# KiCad board poly_kb_molecule_16x5.kicad_pcb (continued)
## Routing (per net, layer and track width the routed paths; a pad name or vN(x,y) marks a point on that pad's centre or on a via; arc(x,y) is an arc through that point) (continued)
/Keyboard/sheet605ED2EB/SDIN: length 2694.2
  Top w0.254: 210.82,83.72 210.86,83.77 212.4,83.77 213.27,82.89 213.49,82.89 213.53,82.93 214.01,82.93 214.35,82.59 214.35,82.58 215.4,81.53 223.93,81.53 224.52,82.12 224.52,83.05 ; 284.48,7.53 283.2,7.53 282.52,6.85 281.67,6.85 ; 39.37,26.58 39.41,26.62 40.95,26.62 41.82,25.74 42.04,25.74 42.08,25.78 42.56,25.78 42.9,25.44 42.9,25.43 43.95,24.38 52.48,24.38 53.07,24.97 53.07,25.9 ; 77.47,7.53 77.51,7.57 79.05,7.57 79.92,6.69 80.14,6.69 80.18,6.73 80.66,6.73 81,6.39 81,6.38 82.05,5.33 90.58,5.33 91.17,5.92 91.17,6.85 ; v1(261.11,45.65) 261.81,44.95 262.62,44.95 ; 281.67,64 280.86,64 v1(280.16,64.7) ; 281.67,64 281.67,63.07 281.08,62.48 272.55,62.48 271.5,63.53 271.5,63.54 271.16,63.88 270.68,63.88 270.64,63.84 270.42,63.84 269.55,64.72 268.01,64.72 267.97,64.67 ; 281.67,64 282.52,64 283.2,64.67 284.48,64.67 ; 34.02,83.05 34.87,83.05 35.55,83.72 36.83,83.72 ; 34.02,83.05 33.21,83.05 v1(32.51,83.75) ; 34.02,83.05 34.02,82.12 33.43,81.53 24.9,81.53 23.85,82.58 23.85,82.59 23.51,82.93 23.03,82.93 22.99,82.89 22.77,82.89 21.9,83.77 20.36,83.77 20.32,83.72 ; 14.97,64 14.97,63.07 14.38,62.48 5.85,62.48 4.8,63.53 4.8,63.54 4.46,63.88 3.98,63.88 3.94,63.84 3.72,63.84 2.85,64.72 1.31,64.72 1.27,64.67 ; 14.97,64 15.82,64 16.5,64.67 17.78,64.67 ; 14.97,64 14.16,64 v1(13.46,64.7) ; 205.47,6.85 205.47,5.92 204.88,5.33 196.35,5.33 195.3,6.38 195.3,6.39 194.96,6.73 194.48,6.73 194.44,6.69 194.22,6.69 193.35,7.57 191.81,7.57 191.77,7.53 ; 205.47,6.85 206.32,6.85 207,7.53 208.28,7.53 ; 205.47,6.85 204.66,6.85 v1(203.96,7.55) ; 53.07,64 52.26,64 v1(51.56,64.7) ; 53.07,64 53.07,63.07 52.48,62.48 43.95,62.48 42.9,63.53 42.9,63.54 42.56,63.88 42.08,63.88 42.04,63.84 41.82,63.84 40.95,64.72 39.41,64.72 39.37,64.67 ; 53.07,64 53.92,64 54.6,64.67 55.88,64.67 ; 243.57,44.95 244.42,44.95 245.1,45.62 246.38,45.62 ; 243.57,44.95 243.57,44.02 242.98,43.43 234.45,43.43 233.4,44.48 233.4,44.49 233.06,44.83 232.58,44.83 232.54,44.79 232.32,44.79 231.45,45.67 229.91,45.67 229.87,45.62 ; 243.57,44.95 242.76,44.95 v1(242.06,45.65) ; 14.97,25.9 14.97,24.97 14.38,24.38 5.85,24.38 4.8,25.43 4.8,25.44 4.46,25.78 3.98,25.78 3.94,25.74 3.72,25.74 2.85,26.62 1.31,26.62 1.27,26.58 ; 14.97,25.9 14.16,25.9 v1(13.46,26.6) ; 14.97,25.9 15.82,25.9 16.5,26.58 17.78,26.58 ; 300.72,25.9 301.57,25.9 302.25,26.58 303.53,26.58 ; 300.72,25.9 300.72,24.97 300.13,24.38 291.6,24.38 290.55,25.43 290.55,25.44 290.21,25.78 289.73,25.78 289.69,25.74 289.47,25.74 288.6,26.62 287.06,26.62 287.02,26.58 ; 300.72,25.9 299.91,25.9 v1(299.21,26.6) ; v1(299.21,7.55) 299.91,6.85 300.72,6.85 ; v1(223.01,7.55) 223.71,6.85 224.52,6.85 ; 243.57,64 243.57,63.07 242.98,62.48 234.45,62.48 233.4,63.53 233.4,63.54 233.06,63.88 232.58,63.88 232.54,63.84 232.32,63.84 231.45,64.72 229.91,64.72 229.87,64.67 ; 243.57,64 242.76,64 v1(242.06,64.7) ; 243.57,64 244.42,64 245.1,64.67 246.38,64.67 ; 153.67,83.72 153.71,83.77 155.25,83.77 156.12,82.89 156.34,82.89 156.38,82.93 156.86,82.93 157.2,82.59 157.2,82.58 158.25,81.53 166.78,81.53 167.37,82.12 167.37,83.05 ; 167.37,64 166.56,64 v1(165.86,64.7) ; 167.37,64 168.22,64 168.9,64.67 170.18,64.67 ; 167.37,64 167.37,63.07 166.78,62.48 158.25,62.48 157.2,63.53 157.2,63.54 156.86,63.88 156.38,63.88 156.34,63.84 156.12,63.84 155.25,64.72 153.71,64.72 153.67,64.67 ; 93.98,45.62 92.7,45.62 92.02,44.95 91.17,44.95 ; 262.62,83.05 261.81,83.05 v1(261.11,83.75) ; 262.62,83.05 262.62,82.12 262.03,81.53 253.5,81.53 252.45,82.58 252.45,82.59 252.11,82.93 251.63,82.93 251.59,82.89 251.37,82.89 250.5,83.77 248.96,83.77 248.92,83.72 ; 262.62,83.05 263.47,83.05 264.15,83.72 265.43,83.72 ; 262.62,64 263.47,64 264.15,64.67 265.43,64.67 ; 262.62,64 261.81,64 v1(261.11,64.7) ; 262.62,64 262.62,63.07 262.03,62.48 253.5,62.48 252.45,63.53 252.45,63.54 252.11,63.88 251.63,63.88 251.59,63.84 251.37,63.84 250.5,64.72 248.96,64.72 248.92,64.67 ; 132.08,83.72 130.8,83.72 130.12,83.05 129.27,83.05 ; 208.28,26.58 207,26.58 206.32,25.9 205.47,25.9 ; 110.22,64 109.41,64 v1(108.71,64.7) ; 110.22,64 111.07,64 111.75,64.67 113.03,64.67 ; 110.22,64 110.22,63.07 109.63,62.48 101.1,62.48 100.05,63.53 100.05,63.54 99.71,63.88 99.23,63.88 99.19,63.84 98.97,63.84 98.1,64.72 96.56,64.72 96.52,64.67 ; 72.12,83.05 72.97,83.05 73.65,83.72 74.93,83.72 ; 72.12,83.05 71.31,83.05 v1(70.61,83.75) ; 72.12,83.05 72.12,82.12 71.53,81.53 63,81.53 61.95,82.58 61.95,82.59 61.61,82.93 61.13,82.93 61.09,82.89 60.87,82.89 60,83.77 58.46,83.77 58.42,83.72 ; 129.27,64 130.12,64 130.8,64.67 132.08,64.67 ; 129.27,64 129.27,63.07 128.68,62.48 120.15,62.48 119.1,63.53 119.1,63.54 118.76,63.88 118.28,63.88 118.24,63.84 118.02,63.84 117.15,64.72 115.61,64.72 115.57,64.67 ; 129.27,64 128.46,64 v1(127.76,64.7) ; 243.57,83.05 242.76,83.05 v1(242.06,83.75) ; 243.57,83.05 243.57,82.12 242.98,81.53 234.45,81.53 233.4,82.58 233.4,82.59 233.06,82.93 232.58,82.93 232.54,82.89 232.32,82.89 231.45,83.77 229.91,83.77 229.87,83.72 ; 243.57,83.05 244.42,83.05 245.1,83.72 246.38,83.72 ; 115.57,83.72 115.61,83.77 117.15,83.77 118.02,82.89 118.24,82.89 118.28,82.93 118.76,82.93 119.1,82.59 119.1,82.58 120.15,81.53 128.68,81.53 129.27,82.12 129.27,83.05 ; 53.07,83.05 52.26,83.05 v1(51.56,83.75) ; 53.07,83.05 53.92,83.05 54.6,83.72 55.88,83.72 ; 53.07,83.05 53.07,82.12 52.48,81.53 43.95,81.53 42.9,82.58 42.9,82.59 42.56,82.93 42.08,82.93 42.04,82.89 41.82,82.89 40.95,83.77 39.41,83.77 39.37,83.72 ; 93.98,26.58 92.7,26.58 92.02,25.9 91.17,25.9 ; 224.52,6.85 224.52,5.92 223.93,5.33 215.4,5.33 214.35,6.38 214.35,6.39 214.01,6.73 213.53,6.73 213.49,6.69 213.27,6.69 212.4,7.57 210.86,7.57 210.82,7.53 ; 224.52,6.85 225.37,6.85 226.05,7.53 227.33,7.53 ; 170.18,83.72 168.9,83.72 168.22,83.05 167.37,83.05 ; 151.13,83.72 149.85,83.72 149.17,83.05 148.32,83.05 ; 229.87,7.53 229.91,7.57 231.45,7.57 232.32,6.69 232.54,6.69 232.58,6.73 233.06,6.73 233.4,6.39 233.4,6.38 234.45,5.33 242.98,5.33 243.57,5.92 243.57,6.85 ; 186.42,6.85 185.61,6.85 v1(184.91,7.55) ; 186.42,6.85 186.42,5.92 185.83,5.33 177.3,5.33 176.25,6.38 176.25,6.39 175.91,6.73 175.43,6.73 175.39,6.69 175.17,6.69 174.3,7.57 172.76,7.57 172.72,7.53 ; 186.42,6.85 187.27,6.85 187.95,7.53 189.23,7.53 ; 134.62,45.62 134.66,45.67 136.2,45.67 137.07,44.79 137.29,44.79 137.33,44.83 137.81,44.83 138.15,44.49 138.15,44.48 139.2,43.43 147.73,43.43 148.32,44.02 148.32,44.95 ; v1(70.61,64.7) 71.31,64 72.12,64 ; 205.47,83.05 205.47,82.12 204.88,81.53 196.35,81.53 195.3,82.58 195.3,82.59 194.96,82.93 194.48,82.93 194.44,82.89 194.22,82.89 193.35,83.77 191.81,83.77 191.77,83.72 ; 205.47,83.05 206.32,83.05 207,83.72 208.28,83.72 ; 205.47,83.05 204.66,83.05 v1(203.96,83.75) ; 53.07,6.85 53.07,5.92 52.48,5.33 43.95,5.33 42.9,6.38 42.9,6.39 42.56,6.73 42.08,6.73 42.04,6.69 41.82,6.69 40.95,7.57 39.41,7.57 39.37,7.53 ; 53.07,6.85 53.92,6.85 54.6,7.53 55.88,7.53 ; 53.07,6.85 52.26,6.85 v1(51.56,7.55) ; 210.82,26.58 210.86,26.62 212.4,26.62 213.27,25.74 213.49,25.74 213.53,25.78 214.01,25.78 214.35,25.44 214.35,25.43 215.4,24.38 223.93,24.38 224.52,24.97 224.52,25.9 ; 281.67,25.9 282.52,25.9 283.2,26.58 284.48,26.58 ; 281.67,25.9 280.86,25.9 v1(280.16,26.6) ; 281.67,25.9 281.67,24.97 281.08,24.38 272.55,24.38 271.5,25.43 271.5,25.44 271.16,25.78 270.68,25.78 270.64,25.74 270.42,25.74 269.55,26.62 268.01,26.62 267.97,26.58 ; 262.62,44.95 262.62,44.02 262.03,43.43 253.5,43.43 252.45,44.48 252.45,44.49 252.11,44.83 251.63,44.83 251.59,44.79 251.37,44.79 250.5,45.67 248.96,45.67 248.92,45.62 ; 262.62,44.95 263.47,44.95 264.15,45.62 265.43,45.62 ; 170.18,7.53 168.9,7.53 168.22,6.85 167.37,6.85 ; v1(223.01,45.65) 223.71,44.95 224.52,44.95 ; v1(70.61,45.65) 71.31,44.95 72.12,44.95 ; 167.37,44.95 167.37,44.02 166.78,43.43 158.25,43.43 157.2,44.48 157.2,44.49 156.86,44.83 156.38,44.83 156.34,44.79 156.12,44.79 155.25,45.67 153.71,45.67 153.67,45.62 ; 167.37,44.95 166.56,44.95 v1(165.86,45.65) ; 167.37,44.95 168.22,44.95 168.9,45.62 170.18,45.62 ; 167.37,6.85 166.56,6.85 v1(165.86,7.55) ; 167.37,6.85 167.37,5.92 166.78,5.33 158.25,5.33 157.2,6.38 157.2,6.39 156.86,6.73 156.38,6.73 156.34,6.69 156.12,6.69 155.25,7.57 153.71,7.57 153.67,7.53 ; 167.37,25.9 167.37,24.97 166.78,24.38 158.25,24.38 157.2,25.43 157.2,25.44 156.86,25.78 156.38,25.78 156.34,25.74 156.12,25.74 155.25,26.62 153.71,26.62 153.67,26.58 ; 167.37,25.9 168.22,25.9 168.9,26.58 170.18,26.58 ; 167.37,25.9 166.56,25.9 v1(165.86,26.6) ; 77.47,26.58 77.51,26.62 79.05,26.62 79.92,25.74 80.14,25.74 80.18,25.78 80.66,25.78 81,25.44 81,25.43 82.05,24.38 90.58,24.38 91.17,24.97 91.17,25.9 ; 74.93,64.67 73.65,64.67 72.97,64 72.12,64 ; 53.07,25.9 53.92,25.9 54.6,26.58 55.88,26.58 ; 53.07,25.9 52.26,25.9 v1(51.56,26.6) ; 17.78,7.53 16.5,7.53 15.82,6.85 14.97,6.85 ; 91.17,44.95 90.36,44.95 v1(89.66,45.65) ; 91.17,44.95 91.17,44.02 90.58,43.43 82.05,43.43 81,44.48 81,44.49 80.66,44.83 80.18,44.83 80.14,44.79 79.92,44.79 79.05,45.67 77.51,45.67 77.47,45.62 ; 243.57,6.85 244.42,6.85 245.1,7.53 246.38,7.53 ; 243.57,6.85 242.76,6.85 v1(242.06,7.55) ; 148.32,44.95 149.17,44.95 149.85,45.62 151.13,45.62 ; 148.32,44.95 147.51,44.95 v1(146.81,45.65) ; 96.52,45.62 96.56,45.67 98.1,45.67 98.97,44.79 99.19,44.79 99.23,44.83 99.71,44.83 100.05,44.49 100.05,44.48 101.1,43.43 109.63,43.43 110.22,44.02 110.22,44.95 ; 281.67,44.95 280.86,44.95 v1(280.16,45.65) ; 281.67,44.95 281.67,44.02 281.08,43.43 272.55,43.43 271.5,44.48 271.5,44.49 271.16,44.83 270.68,44.83 270.64,44.79 270.42,44.79 269.55,45.67 268.01,45.67 267.97,45.62 ; 281.67,44.95 282.52,44.95 283.2,45.62 284.48,45.62 ; 281.67,83.05 280.86,83.05 v1(280.16,83.75) ; 281.67,83.05 282.52,83.05 283.2,83.72 284.48,83.72 ; 281.67,83.05 281.67,82.12 281.08,81.53 272.55,81.53 271.5,82.58 271.5,82.59 271.16,82.93 270.68,82.93 270.64,82.89 270.42,82.89 269.55,83.77 268.01,83.77 267.97,83.72 ; v1(280.16,7.55) 280.86,6.85 281.67,6.85 ; 91.17,25.9 90.36,25.9 v1(89.66,26.6) ; v1(261.11,7.55) 261.81,6.85 262.62,6.85 ; 262.62,6.85 263.47,6.85 264.15,7.53 265.43,7.53 ; 262.62,6.85 262.62,5.92 262.03,5.33 253.5,5.33 252.45,6.38 252.45,6.39 252.11,6.73 251.63,6.73 251.59,6.69 251.37,6.69 250.5,7.57 248.96,7.57 248.92,7.53 ; 72.12,44.95 72.12,44.02 71.53,43.43 63,43.43 61.95,44.48 61.95,44.49 61.61,44.83 61.13,44.83 61.09,44.79 60.87,44.79 60,45.67 58.46,45.67 58.42,45.62 ; 72.12,44.95 72.97,44.95 73.65,45.62 74.93,45.62 ; 91.17,6.85 90.36,6.85 v1(89.66,7.55) ; 91.17,6.85 92.02,6.85 92.7,7.53 93.98,7.53 ; 77.47,83.72 77.51,83.77 79.05,83.77 79.92,82.89 80.14,82.89 80.18,82.93 80.66,82.93 81,82.59 81,82.58 82.05,81.53 90.58,81.53 91.17,82.12 91.17,83.05 ; v1(242.06,26.6) 242.76,25.9 243.57,25.9 ; v1(108.71,26.6) 109.41,25.9 110.22,25.9 ; 129.27,83.05 128.46,83.05 v1(127.76,83.75) ; 205.47,64 206.32,64 207,64.67 208.28,64.67 ; 205.47,64 205.47,63.07 204.88,62.48 196.35,62.48 195.3,63.53 195.3,63.54 194.96,63.88 194.48,63.88 194.44,63.84 194.22,63.84 193.35,64.72 191.81,64.72 191.77,64.67 ; 205.47,64 204.66,64 v1(203.96,64.7) ; 262.62,25.9 263.47,25.9 264.15,26.58 265.43,26.58 ; 262.62,25.9 262.62,24.97 262.03,24.38 253.5,24.38 252.45,25.43 252.45,25.44 252.11,25.78 251.63,25.78 251.59,25.74 251.37,25.74 250.5,26.62 248.96,26.62 248.92,26.58 ; 262.62,25.9 261.81,25.9 v1(261.11,26.6) ; 129.27,25.9 130.12,25.9 130.8,26.58 132.08,26.58 ; 129.27,25.9 129.27,24.97 128.68,24.38 120.15,24.38 119.1,25.43 119.1,25.44 118.76,25.78 118.28,25.78 118.24,25.74 118.02,25.74 117.15,26.62 115.61,26.62 115.57,26.58 ; 129.27,25.9 128.46,25.9 v1(127.76,26.6) ; 110.22,25.9 110.22,24.97 109.63,24.38 101.1,24.38 100.05,25.43 100.05,25.44 99.71,25.78 99.23,25.78 99.19,25.74 98.97,25.74 98.1,26.62 96.56,26.62 96.52,26.58 ; 110.22,25.9 111.07,25.9 111.75,26.58 113.03,26.58 ; 186.42,44.95 185.61,44.95 v1(184.91,45.65) ; 186.42,44.95 187.27,44.95 187.95,45.62 189.23,45.62 ; 186.42,44.95 186.42,44.02 185.83,43.43 177.3,43.43 176.25,44.48 176.25,44.49 175.91,44.83 175.43,44.83 175.39,44.79 175.17,44.79 174.3,45.67 172.76,45.67 172.72,45.62 ; 205.47,44.95 204.66,44.95 v1(203.96,45.65) ; 205.47,44.95 205.47,44.02 204.88,43.43 196.35,43.43 195.3,44.48 195.3,44.49 194.96,44.83 194.48,44.83 194.44,44.79 194.22,44.79 193.35,45.67 191.81,45.67 191.77,45.62 ; 205.47,44.95 206.32,44.95 207,45.62 208.28,45.62 ; 300.72,64 300.72,63.07 300.13,62.48 291.6,62.48 290.55,63.53 290.55,63.54 290.21,63.88 289.73,63.88 289.69,63.84 289.47,63.84 288.6,64.72 287.06,64.72 287.02,64.67 ; 300.72,64 299.91,64 v1(299.21,64.7) ; 300.72,64 301.57,64 302.25,64.67 303.53,64.67 ; 287.02,83.72 287.06,83.77 288.6,83.77 289.47,82.89 289.69,82.89 289.73,82.93 290.21,82.93 290.55,82.59 290.55,82.58 291.6,81.53 300.13,81.53 300.72,82.12 300.72,83.05 ; v1(32.51,64.7) 33.21,64 34.02,64 ; 110.22,44.95 111.07,44.95 111.75,45.62 113.03,45.62 ; 110.22,44.95 109.41,44.95 v1(108.71,45.65) ; 300.72,83.05 301.57,83.05 302.25,83.72 303.53,83.72 ; 300.72,83.05 299.91,83.05 v1(299.21,83.75) ; 129.27,6.85 130.12,6.85 130.8,7.53 132.08,7.53 ; 129.27,6.85 129.27,5.92 128.68,5.33 120.15,5.33 119.1,6.38 119.1,6.39 118.76,6.73 118.28,6.73 118.24,6.69 118.02,6.69 117.15,7.57 115.61,7.57 115.57,7.53 ; 129.27,6.85 128.46,6.85 v1(127.76,7.55) ; 129.27,44.95 130.12,44.95 130.8,45.62 132.08,45.62 ; 129.27,44.95 129.27,44.02 128.68,43.43 120.15,43.43 119.1,44.48 119.1,44.49 118.76,44.83 118.28,44.83 118.24,44.79 118.02,44.79 117.15,45.67 115.61,45.67 115.57,45.62 ; 129.27,44.95 128.46,44.95 v1(127.76,45.65) ; 134.62,64.67 134.66,64.72 136.2,64.72 137.07,63.84 137.29,63.84 137.33,63.88 137.81,63.88 138.15,63.54 138.15,63.53 139.2,62.48 147.73,62.48 148.32,63.07 148.32,64 ; 36.83,45.62 35.55,45.62 34.87,44.95 34.02,44.95 ; 224.52,83.05 225.37,83.05 226.05,83.72 227.33,83.72 ; 224.52,83.05 223.71,83.05 v1(223.01,83.75) ; 34.02,6.85 33.21,6.85 v1(32.51,7.55) ; 34.02,6.85 34.02,5.92 33.43,5.33 24.9,5.33 23.85,6.38 23.85,6.39 23.51,6.73 23.03,6.73 22.99,6.69 22.77,6.69 21.9,7.57 20.36,7.57 20.32,7.53 ; 34.02,6.85 34.87,6.85 35.55,7.53 36.83,7.53 ; 148.32,6.85 148.32,5.92 147.73,5.33 139.2,5.33 138.15,6.38 138.15,6.39 137.81,6.73 137.33,6.73 137.29,6.69 137.07,6.69 136.2,7.57 134.66,7.57 134.62,7.53 ; 148.32,6.85 147.51,6.85 v1(146.81,7.55) ; 148.32,6.85 149.17,6.85 149.85,7.53 151.13,7.53 ; 186.42,25.9 185.61,25.9 v1(184.91,26.6) ; 186.42,25.9 186.42,24.97 185.83,24.38 177.3,24.38 176.25,25.43 176.25,25.44 175.91,25.78 175.43,25.78 175.39,25.74 175.17,25.74 174.3,26.62 172.76,26.62 172.72,26.58 ; 186.42,25.9 187.27,25.9 187.95,26.58 189.23,26.58 ; 224.52,44.95 225.37,44.95 226.05,45.62 227.33,45.62 ; 224.52,44.95 224.52,44.02 223.93,43.43 215.4,43.43 214.35,44.48 214.35,44.49 214.01,44.83 213.53,44.83 213.49,44.79 213.27,44.79 212.4,45.67 210.86,45.67 210.82,45.62 ; 300.72,44.95 301.57,44.95 302.25,45.62 303.53,45.62 ; 300.72,44.95 300.72,44.02 300.13,43.43 291.6,43.43 290.55,44.48 290.55,44.49 290.21,44.83 289.73,44.83 289.69,44.79 289.47,44.79 288.6,45.67 287.06,45.67 287.02,45.62 ; 300.72,44.95 299.91,44.95 v1(299.21,45.65) ; 148.32,83.05 148.32,82.12 147.73,81.53 139.2,81.53 138.15,82.58 138.15,82.59 137.81,82.93 137.33,82.93 137.29,82.89 137.07,82.89 136.2,83.77 134.66,83.77 134.62,83.72 ; 148.32,83.05 147.51,83.05 v1(146.81,83.75) ; v1(70.61,7.55) 71.31,6.85 72.12,6.85 ; 189.23,64.67 187.95,64.67 187.27,64 186.42,64 ; 186.42,83.05 187.27,83.05 187.95,83.72 189.23,83.72 ; 186.42,83.05 185.61,83.05 v1(184.91,83.75) ; 186.42,83.05 186.42,82.12 185.83,81.53 177.3,81.53 176.25,82.58 176.25,82.59 175.91,82.93 175.43,82.93 175.39,82.89 175.17,82.89 174.3,83.77 172.76,83.77 172.72,83.72 ; 243.57,25.9 243.57,24.97 242.98,24.38 234.45,24.38 233.4,25.43 233.4,25.44 233.06,25.78 232.58,25.78 232.54,25.74 232.32,25.74 231.45,26.62 229.91,26.62 229.87,26.58 ; 243.57,25.9 244.42,25.9 245.1,26.58 246.38,26.58 ; 72.12,25.9 72.12,24.97 71.53,24.38 63,24.38 61.95,25.43 61.95,25.44 61.61,25.78 61.13,25.78 61.09,25.74 60.87,25.74 60,26.62 58.46,26.62 58.42,26.58 ; 72.12,25.9 72.97,25.9 73.65,26.58 74.93,26.58 ; 72.12,25.9 71.31,25.9 v1(70.61,26.6) ; 300.72,6.85 300.72,5.92 300.13,5.33 291.6,5.33 290.55,6.38 290.55,6.39 290.21,6.73 289.73,6.73 289.69,6.69 289.47,6.69 288.6,7.57 287.06,7.57 287.02,7.53 ; 300.72,6.85 301.57,6.85 302.25,7.53 303.53,7.53 ; 39.37,45.62 39.41,45.67 40.95,45.67 41.82,44.79 42.04,44.79 42.08,44.83 42.56,44.83 42.9,44.49 42.9,44.48 43.95,43.43 52.48,43.43 53.07,44.02 53.07,44.95 ; 110.22,6.85 110.22,5.92 109.63,5.33 101.1,5.33 100.05,6.38 100.05,6.39 99.71,6.73 99.23,6.73 99.19,6.69 98.97,6.69 98.1,7.57 96.56,7.57 96.52,7.53 ; 110.22,6.85 111.07,6.85 111.75,7.53 113.03,7.53 ; 110.22,6.85 109.41,6.85 v1(108.71,7.55) ; 224.52,64 225.37,64 226.05,64.67 227.33,64.67 ; 224.52,64 223.71,64 v1(223.01,64.7) ; 224.52,64 224.52,63.07 223.93,62.48 215.4,62.48 214.35,63.53 214.35,63.54 214.01,63.88 213.53,63.88 213.49,63.84 213.27,63.84 212.4,64.72 210.86,64.72 210.82,64.67 ; 14.97,6.85 14.97,5.92 14.38,5.33 5.85,5.33 4.8,6.38 4.8,6.39 4.46,6.73 3.98,6.73 3.94,6.69 3.72,6.69 2.85,7.57 1.31,7.57 1.27,7.53 ; 14.97,6.85 14.16,6.85 v1(13.46,7.55) ; v1(203.96,26.6) 204.66,25.9 205.47,25.9 ; v1(146.81,26.6) 147.51,25.9 148.32,25.9 ; 167.37,83.05 166.56,83.05 v1(165.86,83.75) ; 224.52,25.9 223.71,25.9 v1(223.01,26.6) ; 224.52,25.9 225.37,25.9 226.05,26.58 227.33,26.58 ; 281.67,6.85 281.67,5.92 281.08,5.33 272.55,5.33 271.5,6.38 271.5,6.39 271.16,6.73 270.68,6.73 270.64,6.69 270.42,6.69 269.55,7.57 268.01,7.57 267.97,7.53 ; 20.32,26.58 20.36,26.62 21.9,26.62 22.77,25.74 22.99,25.74 23.03,25.78 23.51,25.78 23.85,25.44 23.85,25.43 24.9,24.38 33.43,24.38 34.02,24.97 34.02,25.9 ; 134.62,26.58 134.66,26.62 136.2,26.62 137.07,25.74 137.29,25.74 137.33,25.78 137.81,25.78 138.15,25.44 138.15,25.43 139.2,24.38 147.73,24.38 148.32,24.97 148.32,25.9 ; v1(89.66,83.75) 90.36,83.05 91.17,83.05 ; 34.02,64 34.87,64 35.55,64.67 36.83,64.67 ; 34.02,64 34.02,63.07 33.43,62.48 24.9,62.48 23.85,63.53 23.85,63.54 23.51,63.88 23.03,63.88 22.99,63.84 22.77,63.84 21.9,64.72 20.36,64.72 20.32,64.67 ; v1(146.81,64.7) 147.51,64 148.32,64 ; 148.32,64 149.17,64 149.85,64.67 151.13,64.67 ; 110.22,83.05 109.41,83.05 v1(108.71,83.75) ; 110.22,83.05 110.22,82.12 109.63,81.53 101.1,81.53 100.05,82.58 100.05,82.59 99.71,82.93 99.23,82.93 99.19,82.89 98.97,82.89 98.1,83.77 96.56,83.77 96.52,83.72 ; 110.22,83.05 111.07,83.05 111.75,83.72 113.03,83.72 ; 91.17,83.05 92.02,83.05 92.7,83.72 93.98,83.72 ; 53.07,44.95 52.26,44.95 v1(51.56,45.65) ; 53.07,44.95 53.92,44.95 54.6,45.62 55.88,45.62 ; 148.32,25.9 149.17,25.9 149.85,26.58 151.13,26.58 ; 58.42,7.53 58.46,7.57 60,7.57 60.87,6.69 61.09,6.69 61.13,6.73 61.61,6.73 61.95,6.39 61.95,6.38 63,5.33 71.53,5.33 72.12,5.92 72.12,6.85 ; 186.42,64 186.42,63.07 185.83,62.48 177.3,62.48 176.25,63.53 176.25,63.54 175.91,63.88 175.43,63.88 175.39,63.84 175.17,63.84 174.3,64.72 172.76,64.72 172.72,64.67 ; 186.42,64 185.61,64 v1(184.91,64.7) ; 34.02,25.9 34.87,25.9 35.55,26.58 36.83,26.58 ; 34.02,25.9 33.21,25.9 v1(32.51,26.6) ; 17.78,83.72 16.5,83.72 15.82,83.05 14.97,83.05 ; v1(13.46,83.75) 14.16,83.05 14.97,83.05 ; v1(89.66,64.7) 90.36,64 91.17,64 ; 1.27,83.72 1.31,83.77 2.85,83.77 3.72,82.89 3.94,82.89 3.98,82.93 4.46,82.93 4.8,82.59 4.8,82.58 5.85,81.53 14.38,81.53 14.97,82.12 14.97,83.05 ; 1.27,45.62 1.31,45.67 2.85,45.67 3.72,44.79 3.94,44.79 3.98,44.83 4.46,44.83 4.8,44.49 4.8,44.48 5.85,43.43 14.38,43.43 14.97,44.02 14.97,44.95 ; 91.17,64 92.02,64 92.7,64.67 93.98,64.67 ; 91.17,64 91.17,63.07 90.58,62.48 82.05,62.48 81,63.53 81,63.54 80.66,63.88 80.18,63.88 80.14,63.84 79.92,63.84 79.05,64.72 77.51,64.72 77.47,64.67 ; 72.12,6.85 72.97,6.85 73.65,7.53 74.93,7.53 ; 72.12,64 72.12,63.07 71.53,62.48 63,62.48 61.95,63.53 61.95,63.54 61.61,63.88 61.13,63.88 61.09,63.84 60.87,63.84 60,64.72 58.46,64.72 58.42,64.67 ; 34.02,44.95 33.21,44.95 v1(32.51,45.65) ; 34.02,44.95 34.02,44.02 33.43,43.43 24.9,43.43 23.85,44.48 23.85,44.49 23.51,44.83 23.03,44.83 22.99,44.79 22.77,44.79 21.9,45.67 20.36,45.67 20.32,45.62 ; 14.97,44.95 14.16,44.95 v1(13.46,45.65) ; 14.97,44.95 15.82,44.95 16.5,45.62 17.78,45.62 ; 205.47,25.9 205.47,24.97 204.88,24.38 196.35,24.38 195.3,25.43 195.3,25.44 194.96,25.78 194.48,25.78 194.44,25.74 194.22,25.74 193.35,26.62 191.81,26.62 191.77,26.58
  Top w1.5: J3#17.6 J4#25.6 ; J4#24.6 J3#56.6 ; J4#43.6 J3#53.6 ; J4#65.6 J3#63.6 ; J4#30.6 J3#73.6 ; J4#28.6 J3#3.6 ; J4#3.6 J3#36.6 ; J4#62.6 J3#16.6 ; J3#38.6 J4#69.6 ; J3#46.6 J4#8.6 ; J4#60.6 J3#15.6 ; J4#46.6 J3#76.6 ; J3#51.6 J4#45.6 ; J3#70.6 J4#49.6 ; J3#54.6 J4#15.6 ; J3#78.6 J4#76.6 ; J4#55.6 J3#68.6 ; J4#18.6 J3#34.6 ; J4#40.6 J3#9.6 ; J3#41.6 J4#20.6 ; J3#52.6 J4#73.6 ; J4#22.6 J3#67.6 ; J4#51.6 J3#10.6 ; J4#54.6 J3#72.6 ; J4#4.6 J3#19.6 ; J4#14.6 J3#43.6 ; J4#6.6 J3#80.6 ; J3#75.6 J4#37.6 ; J4#32.6 J3#37.6 ; J4#57.6 J3#74.6 ; J4#63.6 J3#55.6 ; J3#66.6 J4#12.6 ; J4#11.6 J3#27.6 ; J3#69.6 J4#23.6 ; J4#68.6 J3#35.6 ; J4#66.6 J3#61.6 ; J3#4.6 J4#64.6 ; J4#38.6 J3#5.6 ; J4#67.6 J3#58.6 ; J3#62.6 J4#27.6 ; J3#33.6 J4#71.6 ; J4#74.6 J3#48.6 ; J4#48.6 J3#79.6 ; J3#47.6 J4#50.6 ; J4#79.6 J3#77.6 ; J4#78.6 J3#26.6 ; J4#10.6 J3#49.6 ; J4#47.6 J3#42.6 ; J4#16.6 J3#2.6 ; J4#29.6 J3#59.6 ; J3#11.6 J4#5.6 ; J4#17.6 J3#50.6 ; J4#36.6 J3#8.6 ; J4#56.6 J3#12.6 ; J3#45.6 J4#53.6 ; J3#64.6 J4#61.6 ; J4#58.6 J3#23.6 ; J4#77.6 J3#71.6 ; J3#39.6 J4#9.6 ; J3#21.6 J4#42.6 ; J4#52.6 J3#22.6 ; J3#14.6 J4#35.6 ; J4#44.6 J3#25.6 ; J4#13.6 J3#44.6 ; J4#72.6 J3#30.6 ; J4#7.6 J3#24.6 ; J4#59.6 J3#13.6 ; J4#39.6 J3#60.6 ; J4#34.6 J3#65.6 ; J4#33.6 J3#7.6 ; J4#21.6 J3#6.6 ; J4.6 J3#40.6 ; J3#18.6 J4#41.6 ; J4#26.6 J3#32.6 ; J4#70.6 J3#28.6
  Bottom w0.254: J1#75.14 221.82,91.92 222.01,92.1 223.21,92.1 224,91.32 224,88.45 223.87,88.32 223.87,85.84 223.01,84.98 v1(223.01,83.75) ; J1#65.14 69.42,72.87 69.61,73.05 70.81,73.05 71.6,72.27 71.6,69.4 71.47,69.27 71.47,66.79 70.61,65.93 v1(70.61,64.7) ; J1#73.14 240.88,15.72 241.06,15.9 242.26,15.9 243.05,15.12 243.05,12.25 242.92,12.12 242.92,9.64 242.06,8.78 v1(242.06,7.55) ; v1(261.11,7.55) 261.11,8.78 261.97,9.64 261.97,12.12 262.1,12.25 262.1,15.12 261.31,15.9 260.11,15.9 259.93,15.72 J1#46.14 ; v1(13.46,26.6) 13.46,27.83 14.32,28.69 14.32,31.17 14.45,31.3 14.45,34.17 13.66,34.95 12.46,34.95 12.27,34.77 J1#7.14 ; v1(146.81,45.65) 146.81,46.88 147.67,47.74 147.67,50.22 147.8,50.35 147.8,53.22 147.01,54 145.81,54 145.62,53.82 J1#15.14 ; v1(165.86,45.65) 165.86,46.88 166.72,47.74 166.72,50.22 166.85,50.35 166.85,53.22 166.06,54 164.86,54 164.68,53.82 J1#27.14 ; v1(32.51,26.6) 32.51,27.83 33.37,28.69 33.37,31.17 33.5,31.3 33.5,34.17 32.71,34.95 31.51,34.95 31.33,34.77 J1#3.14 ; v1(242.06,64.7) 242.06,65.93 242.92,66.79 242.92,69.27 243.05,69.4 243.05,72.27 242.26,73.05 241.06,73.05 240.88,72.87 J1#39.14 ; v1(127.76,26.6) 127.76,27.83 128.62,28.69 128.62,31.17 128.75,31.3 128.75,34.17 127.96,34.95 126.76,34.95 126.57,34.77 J1#6.14 ; J1#69.14 50.38,34.77 50.56,34.95 51.76,34.95 52.55,34.17 52.55,31.3 52.42,31.17 52.42,28.69 51.56,27.83 v1(51.56,26.6) ; v1(184.91,64.7) 184.91,65.93 185.77,66.79 185.77,69.27 185.9,69.4 185.9,72.27 185.11,73.05 183.91,73.05 183.72,72.87 J1#62.14 ; v1(165.86,7.55) 165.86,8.78 166.72,9.64 166.72,12.12 166.85,12.25 166.85,15.12 166.06,15.9 164.86,15.9 164.68,15.72 J1#68.14 ; J1#53.14 126.57,91.92 126.76,92.1 127.96,92.1 128.75,91.32 128.75,88.45 128.62,88.32 128.62,85.84 127.76,84.98 v1(127.76,83.75) ; J1#57.14 69.42,15.72 69.61,15.9 70.81,15.9 71.6,15.12 71.6,12.25 71.47,12.12 71.47,9.64 70.61,8.78 v1(70.61,7.55) ; v1(184.91,7.55) 184.91,8.78 185.77,9.64 185.77,12.12 185.9,12.25 185.9,15.12 185.11,15.9 183.91,15.9 183.72,15.72 J1#42.14 ; J1#63.14 145.62,91.92 145.81,92.1 147.01,92.1 147.8,91.32 147.8,88.45 147.67,88.32 147.67,85.84 146.81,84.98 v1(146.81,83.75) ; J1#40.14 221.82,53.82 222.01,54 223.21,54 224,53.22 224,50.35 223.87,50.22 223.87,47.74 223.01,46.88 v1(223.01,45.65) ; J1#43.14 31.33,53.82 31.51,54 32.71,54 33.5,53.22 33.5,50.35 33.37,50.22 33.37,47.74 32.51,46.88 v1(32.51,45.65) ; v1(51.56,7.55) 51.56,8.78 52.42,9.64 52.42,12.12 52.55,12.25 52.55,15.12 51.76,15.9 50.56,15.9 50.38,15.72 J1#55.14 ; v1(70.61,45.65) 70.61,46.88 71.47,47.74 71.47,50.22 71.6,50.35 71.6,53.22 70.81,54 69.61,54 69.42,53.82 J1#70.14 ; J1#60.14 240.88,34.77 241.06,34.95 242.26,34.95 243.05,34.17 243.05,31.3 242.92,31.17 242.92,28.69 242.06,27.83 v1(242.06,26.6) ; v1(89.66,83.75) 89.66,84.98 90.52,85.84 90.52,88.32 90.65,88.45 90.65,91.32 89.86,92.1 88.66,92.1 88.47,91.92 J1#22.14 ; v1(127.76,7.55) 127.76,8.78 128.62,9.64 128.62,12.12 128.75,12.25 128.75,15.12 127.96,15.9 126.76,15.9 126.57,15.72 J1#11.14 ; v1(146.81,7.55) 146.81,8.78 147.67,9.64 147.67,12.12 147.8,12.25 147.8,15.12 147.01,15.9 145.81,15.9 145.62,15.72 J1#23.14 ; J1#38.14 88.47,53.82 88.66,54 89.86,54 90.65,53.22 90.65,50.35 90.52,50.22 90.52,47.74 89.66,46.88 v1(89.66,45.65) ; J1#58.14 31.33,72.87 31.51,73.05 32.71,73.05 33.5,72.27 33.5,69.4 33.37,69.27 33.37,66.79 32.51,65.93 v1(32.51,64.7) ; J1#52.14 298.02,72.87 298.21,73.05 299.41,73.05 300.2,72.27 300.2,69.4 300.07,69.27 300.07,66.79 299.21,65.93 v1(299.21,64.7) ; J1#5.14 50.38,72.87 50.56,73.05 51.76,73.05 52.55,72.27 52.55,69.4 52.42,69.27 52.42,66.79 51.56,65.93 v1(51.56,64.7) ; v1(261.11,26.6) 261.11,27.83 261.97,28.69 261.97,31.17 262.1,31.3 262.1,34.17 261.31,34.95 260.11,34.95 259.93,34.77 J1#32.14 ; v1(203.96,7.55) 203.96,8.78 204.82,9.64 204.82,12.12 204.95,12.25 204.95,15.12 204.16,15.9 202.96,15.9 202.78,15.72 J1#10.14 ; v1(203.96,83.75) 203.96,84.98 204.82,85.84 204.82,88.32 204.95,88.45 204.95,91.32 204.16,92.1 202.96,92.1 202.78,91.92 J1#31.14 ; v1(32.51,83.75) 32.51,84.98 33.37,85.84 33.37,88.32 33.5,88.45 33.5,91.32 32.71,92.1 31.51,92.1 31.33,91.92 J1#47.14 ; J1#16.14 164.68,34.77 164.86,34.95 166.06,34.95 166.85,34.17 166.85,31.3 166.72,31.17 166.72,28.69 165.86,27.83 v1(165.86,26.6) ; v1(146.81,64.7) 146.81,65.93 147.67,66.79 147.67,69.27 147.8,69.4 147.8,72.27 147.01,73.05 145.81,73.05 145.62,72.87 J1#28.14 ; v1(299.21,45.65) 299.21,46.88 300.07,47.74 300.07,50.22 300.2,50.35 300.2,53.22 299.41,54 298.21,54 298.02,53.82 J1#45.14 ; v1(299.21,7.55) 299.21,8.78 300.07,9.64 300.07,12.12 300.2,12.25 300.2,15.12 299.41,15.9 298.21,15.9 298.02,15.72 J1#44.14 ; J1#56.14 145.62,34.77 145.81,34.95 147.01,34.95 147.8,34.17 147.8,31.3 147.67,31.17 147.67,28.69 146.81,27.83 v1(146.81,26.6) ; v1(51.56,83.75) 51.56,84.98 52.42,85.84 52.42,88.32 52.55,88.45 52.55,91.32 51.76,92.1 50.56,92.1 50.38,91.92 J1#13.14 ; J1#37.14 126.57,72.87 126.76,73.05 127.96,73.05 128.75,72.27 128.75,69.4 128.62,69.27 128.62,66.79 127.76,65.93 v1(127.76,64.7) ; J1#72.14 221.82,72.87 222.01,73.05 223.21,73.05 224,72.27 224,69.4 223.87,69.27 223.87,66.79 223.01,65.93 v1(223.01,64.7) ; v1(299.21,83.75) 299.21,84.98 300.07,85.84 300.07,88.32 300.2,88.45 300.2,91.32 299.41,92.1 298.21,92.1 298.02,91.92 J1#79.14 ; v1(242.06,83.75) 242.06,84.98 242.92,85.84 242.92,88.32 243.05,88.45 243.05,91.32 242.26,92.1 241.06,92.1 240.88,91.92 J1#61.14 ; v1(184.91,83.75) 184.91,84.98 185.77,85.84 185.77,88.32 185.9,88.45 185.9,91.32 185.11,92.1 183.91,92.1 183.72,91.92 J1#18.14 ; v1(223.01,26.6) 223.01,27.83 223.87,28.69 223.87,31.17 224,31.3 224,34.17 223.21,34.95 222.01,34.95 221.82,34.77 J1#50.14 ; J1#66.14 259.93,53.82 260.11,54 261.31,54 262.1,53.22 262.1,50.35 261.97,50.22 261.97,47.74 261.11,46.88 v1(261.11,45.65) ; v1(108.71,64.7) 108.71,65.93 109.57,66.79 109.57,69.27 109.7,69.4 109.7,72.27 108.91,73.05 107.71,73.05 107.53,72.87 J1#33.14 ; v1(51.56,45.65) 51.56,46.88 52.42,47.74 52.42,50.22 52.55,50.35 52.55,53.22 51.76,54 50.56,54 50.38,53.82 J1#17.14 ; v1(89.66,7.55) 89.66,8.78 90.52,9.64 90.52,12.12 90.65,12.25 90.65,15.12 89.86,15.9 88.66,15.9 88.47,15.72 J1#51.14 ; J1#59.14 107.53,15.72 107.71,15.9 108.91,15.9 109.7,15.12 109.7,12.25 109.57,12.12 109.57,9.64 108.71,8.78 v1(108.71,7.55) ; v1(89.66,64.7) 89.66,65.93 90.52,66.79 90.52,69.27 90.65,69.4 90.65,72.27 89.86,73.05 88.66,73.05 88.47,72.87 J1#71.14 ; J1#77.14 12.27,72.87 12.46,73.05 13.66,73.05 14.45,72.27 14.45,69.4 14.32,69.27 14.32,66.79 13.46,65.93 v1(13.46,64.7) ; J1#80.14 107.53,34.77 107.71,34.95 108.91,34.95 109.7,34.17 109.7,31.3 109.57,31.17 109.57,28.69 108.71,27.83 v1(108.71,26.6) ; v1(261.11,83.75) 261.11,84.98 261.97,85.84 261.97,88.32 262.1,88.45 262.1,91.32 261.31,92.1 260.11,92.1 259.93,91.92 J1#54.14 ; v1(70.61,83.75) 70.61,84.98 71.47,85.84 71.47,88.32 71.6,88.45 71.6,91.32 70.81,92.1 69.61,92.1 69.42,91.92 J1#35.14 ; v1(203.96,64.7) 203.96,65.93 204.82,66.79 204.82,69.27 204.95,69.4 204.95,72.27 204.16,73.05 202.96,73.05 202.78,72.87 J1#14.14 ; v1(261.11,64.7) 261.11,65.93 261.97,66.79 261.97,69.27 262.1,69.4 262.1,72.27 261.31,73.05 260.11,73.05 259.93,72.87 J1#9.14 ; J1#20.14 31.33,15.72 31.51,15.9 32.71,15.9 33.5,15.12 33.5,12.25 33.37,12.12 33.37,9.64 32.51,8.78 v1(32.51,7.55) ; J1#4.14 69.42,34.77 69.61,34.95 70.81,34.95 71.6,34.17 71.6,31.3 71.47,31.17 71.47,28.69 70.61,27.83 v1(70.61,26.6) ; J1#24.14 278.98,15.72 279.16,15.9 280.36,15.9 281.15,15.12 281.15,12.25 281.02,12.12 281.02,9.64 280.16,8.78 v1(280.16,7.55) ; v1(280.16,45.65) 280.16,46.88 281.02,47.74 281.02,50.22 281.15,50.35 281.15,53.22 280.36,54 279.16,54 278.98,53.82 J1#78.14 ; J1#8.14 107.53,53.82 107.71,54 108.91,54 109.7,53.22 109.7,50.35 109.57,50.22 109.57,47.74 108.71,46.88 v1(108.71,45.65) ; v1(280.16,83.75) 280.16,84.98 281.02,85.84 281.02,88.32 281.15,88.45 281.15,91.32 280.36,92.1 279.16,92.1 278.98,91.92 J1#29.14 ; v1(280.16,64.7) 280.16,65.93 281.02,66.79 281.02,69.27 281.15,69.4 281.15,72.27 280.36,73.05 279.16,73.05 278.98,72.87 J1#34.14 ; J1#30.14 164.68,72.87 164.86,73.05 166.06,73.05 166.85,72.27 166.85,69.4 166.72,69.27 166.72,66.79 165.86,65.93 v1(165.86,64.7) ; J1#67.14 183.72,53.82 183.91,54 185.11,54 185.9,53.22 185.9,50.35 185.77,50.22 185.77,47.74 184.91,46.88 v1(184.91,45.65) ; J1#48.14 240.88,53.82 241.06,54 242.26,54 243.05,53.22 243.05,50.35 242.92,50.22 242.92,47.74 242.06,46.88 v1(242.06,45.65) ; v1(299.21,26.6) 299.21,27.83 300.07,28.69 300.07,31.17 300.2,31.3 300.2,34.17 299.41,34.95 298.21,34.95 298.02,34.77 J1#49.14 ; J1.14 12.27,91.92 12.46,92.1 13.66,92.1 14.45,91.32 14.45,88.45 14.32,88.32 14.32,85.84 13.46,84.98 v1(13.46,83.75) ; v1(13.46,7.55) 13.46,8.78 14.32,9.64 14.32,12.12 14.45,12.25 14.45,15.12 13.66,15.9 12.46,15.9 12.27,15.72 J1#41.14 ; v1(13.46,45.65) 13.46,46.88 14.32,47.74 14.32,50.22 14.45,50.35 14.45,53.22 13.66,54 12.46,54 12.27,53.82 J1#12.14 ; J1#19.14 183.72,34.77 183.91,34.95 185.11,34.95 185.9,34.17 185.9,31.3 185.77,31.17 185.77,28.69 184.91,27.83 v1(184.91,26.6) ; v1(108.71,83.75) 108.71,84.98 109.57,85.84 109.57,88.32 109.7,88.45 109.7,91.32 108.91,92.1 107.71,92.1 107.53,91.92 J1#76.14 ; J1#64.14 202.78,53.82 202.96,54 204.16,54 204.95,53.22 204.95,50.35 204.82,50.22 204.82,47.74 203.96,46.88 v1(203.96,45.65) ; v1(280.16,26.6) 280.16,27.83 281.02,28.69 281.02,31.17 281.15,31.3 281.15,34.17 280.36,34.95 279.16,34.95 278.98,34.77 J1#2.14 ; v1(89.66,26.6) 89.66,27.83 90.52,28.69 90.52,31.17 90.65,31.3 90.65,34.17 89.86,34.95 88.66,34.95 88.47,34.77 J1#74.14 ; v1(165.86,83.75) 165.86,84.98 166.72,85.84 166.72,88.32 166.85,88.45 166.85,91.32 166.06,92.1 164.86,92.1 164.68,91.92 J1#25.14 ; v1(223.01,7.55) 223.01,8.78 223.87,9.64 223.87,12.12 224,12.25 224,15.12 223.21,15.9 222.01,15.9 221.82,15.72 J1#21.14 ; J1#26.14 202.78,34.77 202.96,34.95 204.16,34.95 204.95,34.17 204.95,31.3 204.82,31.17 204.82,28.69 203.96,27.83 v1(203.96,26.6) ; v1(127.76,45.65) 127.76,46.88 128.62,47.74 128.62,50.22 128.75,50.35 128.75,53.22 127.96,54 126.76,54 126.57,53.82 J1#36.14
